# Altium PCB ultra.PcbDoc (part 4 of 9)
Units mm, origin at the board's own origin, x right, y up, seen from the top; angles counter-clockwise.
Board outline 210 x 210 mm, 2 copper layers (Top Layer, Bottom Layer), stack 1.591 mm thick; 722 components, 1083 nets, 2232 pads, 1540 vias.
Unrouted connection lines stored in the file: 21.
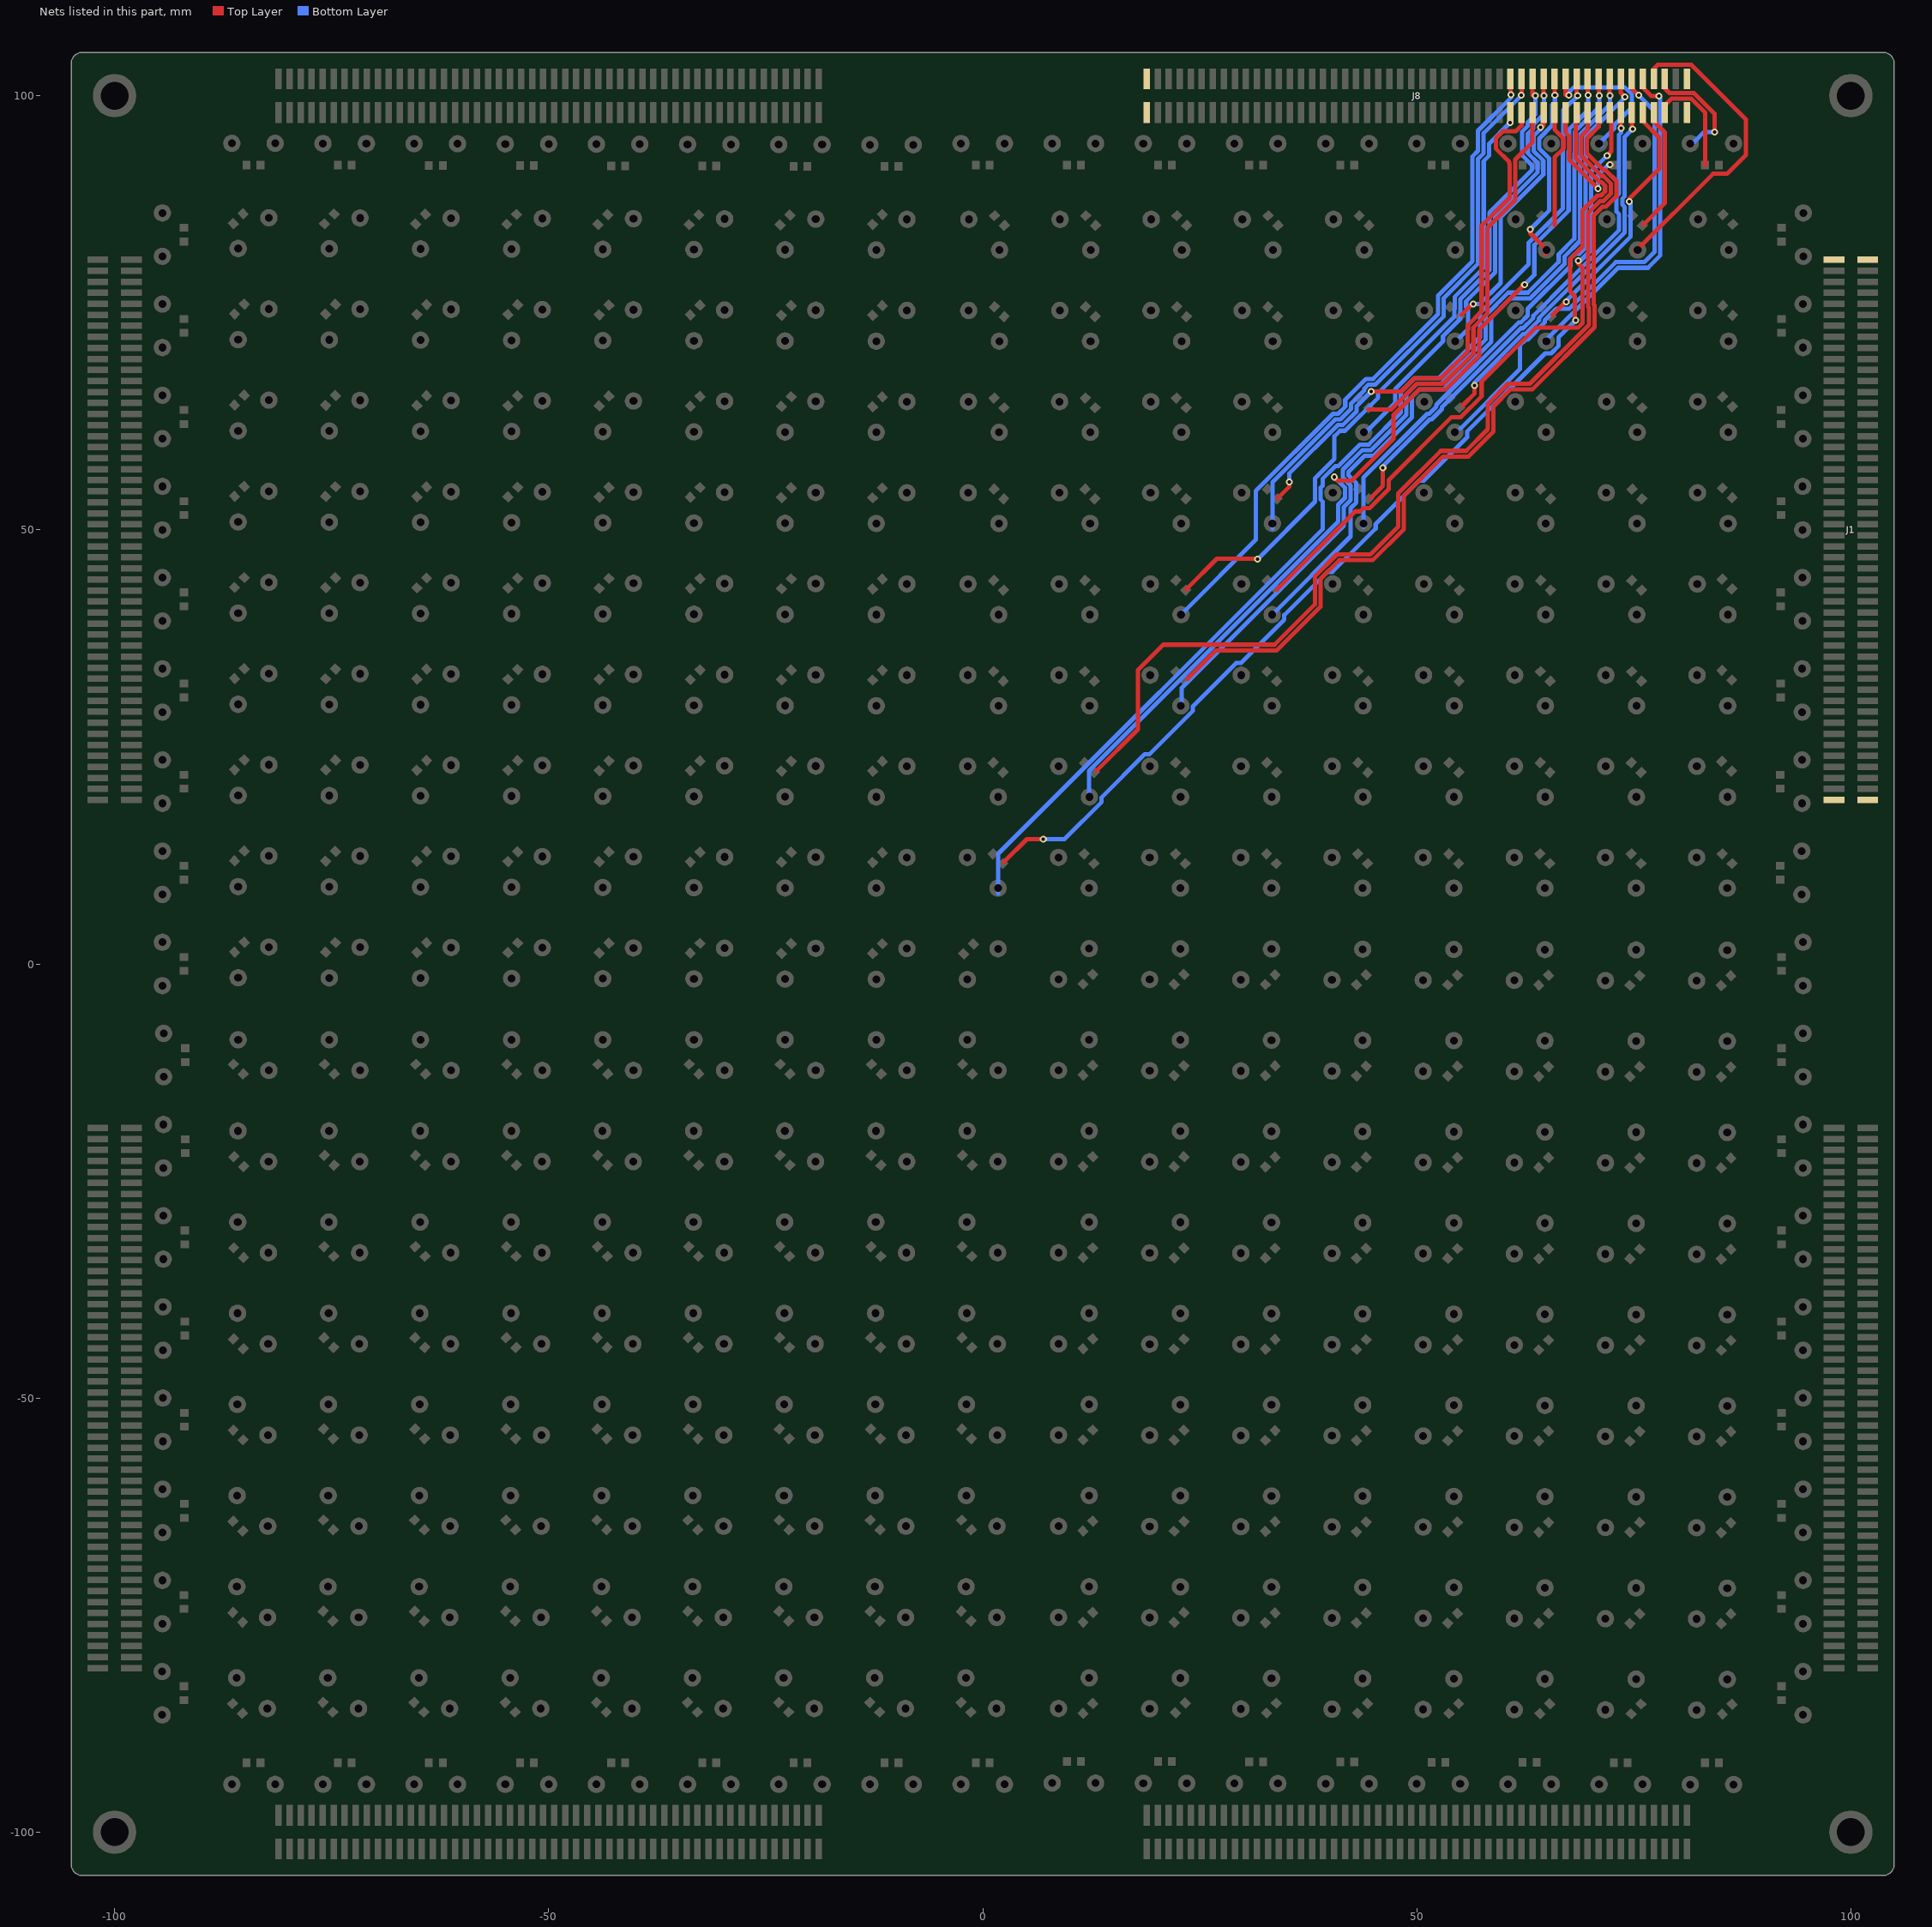
[diagram p4: the nets of this part, all layers, seen from the top]

## Via types
v1: diameter 0.6, hole 0.3, Top Layer to Bottom Layer, tented both sides, 784 vias
v2: diameter 0.8, hole 0.4, Top Layer to Bottom Layer, tented both sides, 756 vias

## Nets (pads, with @x,y where several pads share a name; then routed paths per layer and width w, separated by ;. In a path a pad name is that pad's centre, name@x,y a point inside that pad or via, vN(x,y) a via of type N, cw(c..) or ccw(c..) an arc to the next point about the centre after c; other vN are vias at no path point) (continued)
NetJ8_67: J8.67 | length 73.5
  Top Layer w0.5: 23.482,43.193 26.962,46.672 31.636,46.672 v2(31.674,46.634) ; v2(60.757,96.901) 60.795,96.939 J8.67@60.795,98.05
  Bottom Layer w0.5: v2(31.674,46.634) 38.282,53.243 38.282,55.94 40.515,58.173 40.515,60.78 41.153,61.418 41.745,61.418 45.555,65.228 45.555,65.768 54.331,74.544 54.331,75.413 54.39,75.472 54.39,76.867 57.716,80.193 57.716,81.278 57.715,81.28 57.715,81.653 57.716,81.654 57.716,82.193 57.715,82.194 57.715,92.477 58.35,93.112 58.35,94.494 v2(60.757,96.901)
NetJ8_68: J8.68 | length 77.8
  Top Layer w0.5: J8.68@60.795,101.95 60.795,100.165 v2(60.833,100.127)
  Bottom Layer w0.5: 23.178,40.576 31.471,48.87 31.471,54.493 40.346,63.368 40.937,63.368 41.757,64.188 41.757,64.991 44.154,67.388 44.983,67.388 52.457,74.862 52.457,76.982 56.415,80.94 56.415,93.015 57.05,93.651 57.05,95.968 60.833,99.751 v2(60.833,100.127)
NetJ8_69: J8.69 | length 62.5
  Top Layer w0.5: 33.91,53.57 35.331,54.991 v2(35.331,55.499) ; v2(44.755,65.938) 48.209,65.938 49.739,67.468 52.777,67.468 55.875,70.566 55.875,73.579 57.465,75.169 57.465,85.029 60.7,88.264 60.7,92.151 60.649,92.202 60.649,92.372 59.1,93.92 59.1,95.08 59.92,95.9 61.381,95.9 62.065,96.584 J8.69@62.065,98.05
  Bottom Layer w0.5: v2(35.331,55.499) 35.331,56.515 40.884,62.068 41.476,62.068 43.057,63.649 43.057,64.241 v2(44.755,65.938)
NetJ8_70: J8.70 | length 64.5
  Top Layer w0.5: v2(62.052,100.051) 62.065,100.063 J8.70@62.065,101.95
  Bottom Layer w0.5: 33.401,50.114 33.401,55.504 40.615,62.718 41.206,62.718 42.407,63.919 42.407,64.51 43.955,66.058 43.955,66.27 44.423,66.738 45.252,66.738 53.107,74.593 53.107,76.713 57.065,80.671 57.065,92.746 57.7,93.382 57.7,95.698 v2(62.052,100.051) ; 57.065,81.925 57.066,81.924
NetJ8_71: J8.71 | length 45.4
  Top Layer w0.5: 44.399,63.856 47.046,63.856 50.008,66.818 53.046,66.818 56.525,70.297 56.525,73.31 58.115,74.9 58.115,84.76 61.35,87.995 61.35,92.666 63.335,94.651 J8.71@63.335,98.05
NetJ8_72: J8.72 | length 50.2
  Top Layer w0.5: J8.72@63.335,101.95 63.335,100.063 63.398,100 v2(63.652,100)
  Bottom Layer w0.5: 44.003,61.122 47.507,64.627 47.507,66.202 53.018,71.712 53.018,72.312 55.04,74.334 55.04,76.597 58.366,79.924 58.366,82.462 58.365,82.464 58.365,86.544 63.277,91.456 63.277,91.985 62.15,93.112 62.15,95.888 62.787,96.524 62.787,96.968 63.652,97.834 v2(63.652,100)
NetJ8_73: J8.73 | length 28.7
  Top Layer w0.5: 55.131,74.765 56.363,75.997 v2(56.49,75.997) ; v2(64.237,96.368) 64.389,96.368 64.605,96.584 J8.73@64.605,98.05
  Bottom Layer w0.5: v2(56.49,75.997) 57.221,75.997 59.666,78.442 59.666,83.001 59.665,83.002 59.665,86.005 64.577,90.918 64.577,92.524 63.45,93.651 63.45,95.349 64.237,96.136 v2(64.237,96.368)
NetJ8_74: J8.74 | length 34.9
  Top Layer w0.5: J8.74@64.605,101.95 64.605,100.038 v2(64.643,100)
  Bottom Layer w0.5: 54.966,72.187 55.899,73.12 55.899,75.457 55.69,75.665 55.69,76.328 59.016,79.655 59.016,82.731 59.015,82.733 59.015,86.274 63.927,91.187 63.927,92.254 62.8,93.382 62.8,95.618 63.437,96.255 63.437,96.699 64.643,97.905 v2(64.643,100)
NetJ8_75: J8.75 | length 13.8
  Top Layer w0.5: 65.875,85.115 65.875,92.895 66.9,93.92 66.9,95.08 65.875,96.105 J8.75@65.875,98.05
NetJ8_76: J8.76 | length 23
  Top Layer w0.5: v2(63.068,84.607) 63.068,84.15 64.821,82.398 64.821,81.788 ; J8.76@65.875,101.95 65.875,100.241 65.913,100.203 v2(65.913,100.051)
  Bottom Layer w0.5: v2(63.068,84.607) 65.227,86.766 65.227,92.793 64.1,93.92 64.1,95.08 65.594,96.574 65.594,98.929 65.913,99.247 v2(65.913,100.051)
NetJ8_77: J8.77 | length 13.5
  Top Layer w0.5: J8.77@67.145,98.05 67.145,95.754 67.55,95.349 67.55,92.648 70.694,89.504 70.694,89.484 70.872,89.306 v2(70.891,89.306)
  Bottom Layer w0.5: v2(70.891,89.306) 70.891,90.881 v2@72.06,92.05
  other v2: 72.238,92.05
NetJ8_78: J8.78 | length 17.7
  Top Layer w0.5: J8.78@67.145,101.95 67.145,100.114 67.183,100.076 v2(67.513,100.076)
  Bottom Layer w0.5: v2(67.513,100.076) 67.513,100.406 68.047,100.94 74.004,100.94 74.765,100.179 74.765,98.629 72.733,96.597 72.733,96.203 71.272,94.742 71.272,94.259
NetJ8_79: J8.79 | length 121.5
  Top Layer w0.5: 2.476,11.773 5.08,14.376 v2(6.985,14.376) ; v2(68.301,74.143) 68.205,74.238 68.205,74.289 68.199,74.295 68.199,76.922 67.651,77.47 67.651,81.177 69.101,82.627 69.101,86.78 70.827,88.506 71.223,88.506 71.691,88.975 71.691,89.638 71.223,90.106 71.02,90.106 68.3,92.827 68.3,97.935 J8.79@68.415,98.05
  Bottom Layer w0.5: v2(6.985,14.376) 9.417,14.376 13.693,18.652 13.693,19.183 18.677,24.168 19.233,24.168 24.218,29.152 24.218,29.683 29.202,34.668 29.758,34.668 34.743,39.652 34.743,40.183 39.727,45.168 40.283,45.168 45.268,50.152 45.268,50.683 50.252,55.668 50.808,55.668 55.793,60.652 55.793,61.33 64.795,70.332 65.498,70.332 66.318,71.152 66.318,72.16 v2(68.301,74.143)
NetJ8_80: J8.80 | length 124.3
  Top Layer w0.5: J8.80@68.415,101.95 68.415,100.089 68.402,100.076 68.453,100.025 v2(68.529,100.025)
  Bottom Layer w0.5: 1.778,8.103 1.778,12.691 39.147,50.06 39.147,53.259 38.932,53.474 38.932,54.848 39.147,55.062 39.147,55.885 40.589,57.328 40.95,57.328 43.454,59.832 44.473,59.832 48.157,63.517 48.157,65.886 49.739,67.468 52.559,67.468 57.298,72.206 57.298,75.002 62.893,80.597 62.893,83.081 66.841,87.03 66.841,93.862 66.9,93.92 66.9,95.08 66.894,95.085 66.894,98.39 67.78,99.276 67.845,99.276 68.529,99.961 v2(68.529,100.025)
NetJ8_81: J8.81 | length 115.3
  Top Layer w0.5: 13.157,22.301 17.882,27.026 17.882,33.848 20.803,36.769 33.614,36.769 38.257,41.412 38.257,44.617 40.798,47.157 44.663,47.157 47.864,50.358 47.864,54.199 52.761,59.095 55.687,59.095 58.176,61.585 58.176,64.486 60.508,66.818 63.026,66.818 69.832,73.624 69.832,75.578 69.751,75.66 69.751,86.51 71.097,87.856 71.492,87.856 72.341,88.706 72.341,89.907 71.492,90.756 71.29,90.756 68.95,93.096 68.95,95.349 69.685,96.084 J8.81@69.685,98.05
NetJ8_82: J8.82 | length 111.2
  Top Layer w0.5: v2(40.513,56.083) 40.513,56.058 40.903,55.668 42.529,55.668 42.52,55.677 47.32,60.477 47.32,63.211 50.277,66.168 53.315,66.168 57.175,70.028 57.175,73.041 62.367,78.232 v2(62.408,78.232) ; J8.82@69.685,101.95 69.685,100.139 v2(69.748,100.076)
  Bottom Layer w0.5: 12.243,19.232 12.243,22.237 40.939,50.933 40.939,52.895 41.732,53.688 41.732,54.848 40.513,56.067 v2(40.513,56.083) ; v2(62.408,78.232) 63.543,79.367 63.543,82.812 67.491,86.761 67.491,93.592 67.55,93.651 67.55,95.349 67.544,95.355 67.544,96.134 69.748,98.338 v2(69.748,100.076)
NetJ8_83: J8.83 | length 97.7
  Top Layer w0.5: 23.546,32.791 26.873,36.119 33.884,36.119 38.907,41.142 38.907,44.348 41.067,46.507 44.933,46.507 48.514,50.089 48.514,53.929 53.03,58.445 55.956,58.445 58.826,61.316 58.826,64.217 60.777,66.168 63.296,66.168 70.482,73.354 70.482,75.848 70.401,75.929 70.401,86.241 71.366,87.206 71.761,87.206 72.991,88.437 72.991,90.176 71.761,91.406 71.559,91.406 69.6,93.365 69.6,95.08 70.955,96.435 J8.83@70.955,98.05
NetJ8_84: J8.84 | length 96.3
  Top Layer w0.5: J8.84@70.955,101.95 70.955,100.089 v2(71.018,100.025)
  Bottom Layer w0.5: 22.911,29.972 22.911,31.78 41.589,50.458 41.589,52.625 42.382,53.419 42.382,55.117 41.489,56.011 41.489,56.947 43.724,59.182 44.742,59.182 48.807,63.248 48.807,65.617 50.008,66.818 52.828,66.818 57.948,71.937 57.948,74.732 60.533,77.318 62.805,77.318 66.355,80.868 66.355,81.746 68.141,83.532 68.141,93.323 68.2,93.382 68.2,95.618 68.194,95.624 68.194,95.865 71.018,98.689 v2(71.018,100.025)
NetJ8_85: J8.85 | length 76.1
  Top Layer w0.5: 33.867,43.087 42.912,52.132 43.485,52.132 43.837,52.485 44.553,52.485 46.751,54.682 46.751,55.717 54.018,62.985 55.078,62.985 57.467,65.374 57.467,67.069 63.678,73.279 68.568,73.279 69.101,73.811 69.101,80.175 68.605,80.67 v2(68.605,81.001) ; v2(71.933,93.116) 72.4,93.584 72.4,97.875 J8.85@72.225,98.05
  Bottom Layer w0.5: v2(68.605,81.001) 68.605,80.756 70.091,82.242 70.091,91.275 v2(71.933,93.116)
NetJ8_86: J8.86 | length 82.2
  Top Layer w0.5: J8.86@72.225,101.95 72.225,100.038 v2(72.263,100)
  Bottom Layer w0.5: 33.359,40.217 42.382,49.24 42.382,52.499 43.032,53.149 43.032,55.386 42.139,56.28 42.139,56.678 43.993,58.532 45.011,58.532 49.457,62.978 49.457,65.348 50.277,66.168 53.098,66.168 58.598,71.668 58.598,74.463 60.802,76.668 63.074,76.668 67.005,80.599 67.005,81.476 68.791,83.263 68.791,93.054 68.85,93.112 68.85,95.601 72.263,99.014 v2(72.263,100)
NetJ8_87: J8.87 | length 56.8
  Top Layer w0.5: 44.767,53.734 46.101,55.067 v2(46.101,57.125) ; J8.87@73.495,98.05 73.495,96.304 v2(73.533,96.266)
  Bottom Layer w0.5: v2(46.101,57.125) 46.101,57.333 51.486,62.718 51.706,62.718 52.907,63.919 52.907,64.139 61.986,73.218 62.231,73.218 63.432,74.419 63.432,74.664 67.521,78.753 67.54,78.753 73.307,84.52 73.307,86.348 73,86.655 73,88.443 73.307,88.75 73.307,95.537 73.533,95.763 v2(73.533,96.266)
NetJ8_88: J8.88 | length 64.8
  Top Layer w0.5: J8.88@73.495,101.95 73.495,100.368 73.965,99.898 v2(73.965,99.847)
  Bottom Layer w0.5: 43.866,50.343 43.866,56.021 51.213,63.368 51.437,63.368 52.257,64.188 52.257,64.408 61.717,73.868 61.962,73.868 62.782,74.688 62.782,75.457 67.691,80.366 67.691,81.243 68.249,81.801 68.73,81.801 69.441,82.512 69.441,92.785 69.5,92.843 69.5,95.332 73.965,99.797 v2(73.965,99.847)
NetJ8_89: J8.89 | length 42.2
  Top Layer w0.5: 55.308,64.351 56.667,65.71 v2(56.667,66.624) ; J8.89@74.765,98.05 74.765,96.253 v2(74.854,96.164)
  Bottom Layer w0.5: v2(56.667,66.624) 56.667,66.98 62.255,72.568 62.501,72.568 64.082,74.149 64.082,74.395 67.79,78.103 67.809,78.103 73.957,84.251 73.957,87.192 73.673,87.476 73.673,88.139 73.957,88.424 73.957,95.268 v2(74.854,96.164)
NetJ8_90: J8.90 | length 53.6
  Top Layer w0.5: J8.90@74.765,101.95 74.765,100.851 v2(75.565,100.051)
  Bottom Layer w0.5: 55.042,61.671 61.864,68.494 61.864,71.257 62.525,71.918 62.77,71.918 64.732,73.88 64.732,74.125 66.07,75.463 66.864,75.463 66.877,75.451 67.54,75.451 72.921,80.832 76.22,80.832 77.4,82.012 77.4,98.216 v2(75.565,100.051)
NetJ8_91: J8.91 | length 29.3
  Top Layer w0.5: 65.634,74.752 67.132,76.251 v2(67.208,76.251) ; v2(74.473,87.808) 74.549,87.884 74.549,88.214 77.938,91.603 77.938,95.163 76.035,97.066 J8.91@76.035,98.05
  Bottom Layer w0.5: v2(67.208,76.251) 67.208,76.352 74.607,83.751 74.607,87.673 v2(74.473,87.808)
NetJ8_92: J8.92 | length 39.3
  Top Layer w0.5: J8.92@76.035,101.95 76.035,100.952 77.013,99.974 v2(77.902,99.974)
  Bottom Layer w0.5: 64.627,71.619 73.19,80.182 76.626,80.182 78.05,81.606 78.05,99.826 v2(77.902,99.974)
NetJ8_93: J8.93 | length 14.4
  Top Layer w0.5: 76.136,85.179 78.588,87.63 78.588,95.758 77.305,97.041 J8.93@77.305,98.05
NetJ8_94: J8.94 | length 36
  Top Layer w0.5: 75.159,82.042 84.125,91.008 85.75,91.008 87.9,93.158 87.9,97.301 81.651,103.55 77.744,103.55 77.305,103.111 J8.94@77.305,101.95
NetJ8_95: J8.95 | length 12.5
  Top Layer w0.5: J8.95@78.575,98.05 78.575,98.916 79.309,99.65 81.651,99.65 83.21,98.09 83.21,92
NetJ8_96: J8.96 | length 12.9
  Top Layer w0.5: J8.96@78.575,101.95 78.575,100.851 79.126,100.3 81.92,100.3 84.303,97.917 v2(84.303,95.834)
  Bottom Layer w0.5: 81.978,94.704 83.109,95.834 v2(84.303,95.834)
NetR1_U_ultra1_2: 
NetR1_U_ultra2_2: 
NetR1_U_ultra3_2: 
NetR1_U_ultra4_2: 
NetR1_U_ultra5_2: 
NetR1_U_ultra6_2: 
NetR1_U_ultra7_2: 
NetR1_U_ultra8_2: 
NetR1_U_ultra9_2: 
NetR1_U_ultra10_2: 
NetR1_U_ultra11_2: 
NetR1_U_ultra12_2: 
NetR1_U_ultra13_2: 
NetR1_U_ultra14_2: 
NetR1_U_ultra15_2: 
NetR1_U_ultra16_2: 
NetR1_U_ultra17_2: 
NetR1_U_ultra18_2: 
NetR1_U_ultra19_2: 
NetR1_U_ultra20_2: 
NetR1_U_ultra21_2: 
NetR1_U_ultra22_2: 
NetR1_U_ultra23_2: 
NetR1_U_ultra24_2: 
NetR1_U_ultra25_2: 
NetR1_U_ultra26_2: 
NetR1_U_ultra27_2: 
NetR1_U_ultra28_2: 
NetR1_U_ultra29_2: 
NetR1_U_ultra30_2: 
NetR1_U_ultra31_2: 
NetR1_U_ultra32_2: 
NetR1_U_ultra33_2: 
NetR1_U_ultra34_2: 
NetR1_U_ultra35_2: 
NetR1_U_ultra36_2: 
NetR1_U_ultra37_2: 
NetR1_U_ultra38_2: 
NetR1_U_ultra39_2: 
NetR1_U_ultra40_2: 
NetR1_U_ultra41_2: 
NetR1_U_ultra42_2: 
NetR1_U_ultra43_2: 
NetR1_U_ultra44_2: 
NetR1_U_ultra45_2: 
NetR1_U_ultra46_2: 
NetR1_U_ultra47_2: 
NetR1_U_ultra48_2: 
NetR1_U_ultra49_2: 
NetR1_U_ultra50_2: 
NetR1_U_ultra51_2: 
NetR1_U_ultra52_2: 
NetR1_U_ultra53_2: 
NetR1_U_ultra54_2: 
NetR1_U_ultra55_2: 
NetR1_U_ultra56_2: 
NetR1_U_ultra57_2: 
NetR1_U_ultra58_2: 
NetR1_U_ultra59_2: 
NetR1_U_ultra60_2: 
NetR1_U_ultra61_2: 
NetR1_U_ultra62_2: 
NetR1_U_ultra63_2: 
NetR1_U_ultra64_2: 
NetR1_U_ultra65_2: 
NetR1_U_ultra66_2: 
NetR1_U_ultra67_2: 
NetR1_U_ultra68_2: 
NetR1_U_ultra69_2: 
NetR1_U_ultra70_2: 
NetR1_U_ultra71_2: 
NetR1_U_ultra72_2: 
NetR1_U_ultra73_2: 
NetR1_U_ultra74_2: 
NetR1_U_ultra75_2: 
NetR1_U_ultra76_2: 
NetR1_U_ultra77_2: 
NetR1_U_ultra78_2: 
NetR1_U_ultra79_2: 
NetR1_U_ultra80_2: 
NetR1_U_ultra81_2: 
NetR1_U_ultra82_2: 
NetR1_U_ultra83_2: 
NetR1_U_ultra84_2: 
NetR1_U_ultra85_2: 
NetR1_U_ultra86_2: 
NetR1_U_ultra87_2: 
NetR1_U_ultra88_2: 
NetR1_U_ultra89_2: 
NetR1_U_ultra90_2: 
NetR1_U_ultra91_2: 
NetR1_U_ultra92_2: 
NetR1_U_ultra93_2: 
NetR1_U_ultra94_2: 
NetR1_U_ultra95_2: 
NetR1_U_ultra96_2: 
NetR1_U_ultra97_2: 
NetR1_U_ultra98_2: 
NetR1_U_ultra99_2: 
NetR1_U_ultra100_2: 
NetR1_U_ultra101_2: 
NetR1_U_ultra102_2: 
NetR1_U_ultra103_2: 
NetR1_U_ultra104_2: 
NetR1_U_ultra105_2: 
NetR1_U_ultra106_2: 
NetR1_U_ultra107_2: 
NetR1_U_ultra108_2: 
NetR1_U_ultra109_2: 
NetR1_U_ultra110_2: 
NetR1_U_ultra111_2: 
NetR1_U_ultra112_2: 
NetR1_U_ultra113_2: 
NetR1_U_ultra114_2: 
NetR1_U_ultra115_2: 
NetR1_U_ultra116_2: 
NetR1_U_ultra117_2: 
NetR1_U_ultra118_2: 
NetR1_U_ultra119_2: 
NetR1_U_ultra120_2: 
NetR1_U_ultra121_2: 
NetR1_U_ultra122_2: 
NetR1_U_ultra123_2: 
NetR1_U_ultra124_2: 
NetR1_U_ultra125_2: 
NetR1_U_ultra126_2: 
NetR1_U_ultra127_2: 
NetR1_U_ultra128_2: 
NetR1_U_ultra129_2: 
NetR1_U_ultra130_2: 
NetR1_U_ultra131_2: 
NetR1_U_ultra132_2: 
NetR1_U_ultra133_2: 
NetR1_U_ultra134_2: 
NetR1_U_ultra135_2: 
NetR1_U_ultra136_2: 
NetR1_U_ultra137_2: 
NetR1_U_ultra138_2: 
NetR1_U_ultra139_2: 
NetR1_U_ultra140_2: 
NetR1_U_ultra141_2: 
NetR1_U_ultra142_2: 
NetR1_U_ultra143_2: 
NetR1_U_ultra144_2: 
NetR1_U_ultra145_2: 
NetR1_U_ultra146_2: 
NetR1_U_ultra147_2: 
NetR1_U_ultra148_2: 
NetR1_U_ultra149_2: 
NetR1_U_ultra150_2: 
NetR1_U_ultra151_2: 
NetR1_U_ultra152_2: 
NetR1_U_ultra153_2: 
NetR1_U_ultra154_2: 
NetR1_U_ultra155_2: 
NetR1_U_ultra156_2: 
NetR1_U_ultra157_2: 
NetR1_U_ultra158_2: 
NetR1_U_ultra159_2: 
NetR1_U_ultra160_2: 
NetR1_U_ultra161_2: 
NetR1_U_ultra162_2: 
NetR1_U_ultra163_2: 
NetR1_U_ultra164_2: 
NetR1_U_ultra165_2: 
NetR1_U_ultra166_2: 
NetR1_U_ultra167_2: 
NetR1_U_ultra168_2: 
NetR1_U_ultra169_2: 
NetR1_U_ultra170_2: 
NetR1_U_ultra171_2: 
NetR1_U_ultra172_2: 
NetR1_U_ultra173_2: 
NetR1_U_ultra174_2: 
NetR1_U_ultra175_2: 
NetR1_U_ultra176_2: 
NetR1_U_ultra177_2: 
NetR1_U_ultra178_2: 
NetR1_U_ultra179_2: 
NetR1_U_ultra180_2: 
NetR1_U_ultra181_2: 
NetR1_U_ultra182_2: 
NetR1_U_ultra183_2: 
NetR1_U_ultra184_2: 
NetR1_U_ultra185_2: 
NetR1_U_ultra186_2: 
NetR1_U_ultra187_2: 
NetR1_U_ultra188_2: 
NetR1_U_ultra189_2: 
NetR1_U_ultra190_2: 
NetR1_U_ultra191_2: 
NetR1_U_ultra192_2: 
NetR1_U_ultra193_2: 
NetR1_U_ultra194_2: 
NetR1_U_ultra195_2: 
NetR1_U_ultra196_2: 
NetR1_U_ultra197_2: 
NetR1_U_ultra198_2: 
NetR1_U_ultra199_2: 
NetR1_U_ultra200_2: 
NetR1_U_ultra201_2: 
NetR1_U_ultra202_2: 
NetR1_U_ultra203_2: 
NetR1_U_ultra204_2: 
NetR1_U_ultra205_2: 
NetR1_U_ultra206_2: 
NetR1_U_ultra207_2: 
NetR1_U_ultra208_2: 
NetR1_U_ultra209_2: 
NetR1_U_ultra210_2: 
NetR1_U_ultra211_2: 
NetR1_U_ultra212_2: 
NetR1_U_ultra213_2: 
NetR1_U_ultra214_2: 
NetR1_U_ultra215_2: 
NetR1_U_ultra216_2: 
NetR1_U_ultra217_2: 
NetR1_U_ultra218_2: 
NetR1_U_ultra219_2: 
NetR1_U_ultra220_2: 
NetR1_U_ultra221_2: 
NetR1_U_ultra222_2: 
NetR1_U_ultra223_2: 
NetR1_U_ultra224_2: 
NetR1_U_ultra225_2: 
NetR1_U_ultra226_2: 
NetR1_U_ultra227_2: 
NetR1_U_ultra228_2: 
NetR1_U_ultra229_2: 
NetR1_U_ultra230_2: 
NetR1_U_ultra231_2: 
NetR1_U_ultra232_2: 
NetR1_U_ultra233_2: 
NetR1_U_ultra234_2: 
NetR1_U_ultra235_2: 
NetR1_U_ultra236_2: 
NetR1_U_ultra237_2: 
NetR1_U_ultra238_2: 
NetR1_U_ultra239_2: 
NetR1_U_ultra240_2: 
NetR1_U_ultra241_2: 
NetR1_U_ultra242_2: 
NetR1_U_ultra243_2: 
NetR1_U_ultra244_2: 
NetR1_U_ultra245_2: 
NetR1_U_ultra246_2: 
NetR1_U_ultra247_2: 
NetR1_U_ultra248_2: 
NetR1_U_ultra249_2: 
NetR1_U_ultra250_2: 
NetR1_U_ultra251_2: 
NetR1_U_ultra252_2: 
NetR1_U_ultra253_2: 
NetR1_U_ultra254_2: 
NetR1_U_ultra255_2: 
NetR1_U_ultra256_2: 
NetR1_U_ultra257_2: 
NetR1_U_ultra258_2: 
NetR1_U_ultra259_2: 
NetR1_U_ultra260_2: 
NetR1_U_ultra261_2: 
NetR1_U_ultra262_2: 
NetR1_U_ultra263_2: 
NetR1_U_ultra264_2: 
NetR1_U_ultra265_2: 
NetR1_U_ultra266_2: 
NetR1_U_ultra267_2: 
NetR1_U_ultra268_2: 
NetR1_U_ultra269_2: 
NetR1_U_ultra270_2: 
NetR1_U_ultra271_2: 
NetR1_U_ultra272_2: 
NetR1_U_ultra273_2: 
NetR1_U_ultra274_2: 
NetR1_U_ultra275_2: 
NetR1_U_ultra276_2: 
NetR1_U_ultra277_2: 
NetR1_U_ultra278_2: 
NetR1_U_ultra279_2: 
NetR1_U_ultra280_2: 
NetR1_U_ultra281_2: 
NetR1_U_ultra282_2: 
NetR1_U_ultra283_2: 
NetR1_U_ultra284_2: 
NetR1_U_ultra285_2: 
NetR1_U_ultra286_2: 
NetR1_U_ultra287_2: 
NetR1_U_ultra288_2: 
NetR1_U_ultra289_2: 
NetR1_U_ultra290_2: 
NetR1_U_ultra291_2: 
NetR1_U_ultra292_2: 
NetR1_U_ultra293_2: 
NetR1_U_ultra294_2: 
NetR1_U_ultra295_2: 
NetR1_U_ultra296_2: 
NetR1_U_ultra297_2: 
NetR1_U_ultra298_2: 
NetR1_U_ultra299_2: 
NetR1_U_ultra300_2: 
NetR1_U_ultra301_2: 
NetR1_U_ultra302_2: 
NetR1_U_ultra303_2: 
NetR1_U_ultra304_2: 
NetR1_U_ultra305_2: 
NetR1_U_ultra306_2: 
NetR1_U_ultra307_2: 
NetR1_U_ultra308_2: 
NetR1_U_ultra309_2: 
NetR1_U_ultra310_2: 
NetR1_U_ultra311_2: 
NetR1_U_ultra312_2: 
NetR1_U_ultra313_2: 
NetR1_U_ultra314_2: 
NetR1_U_ultra315_2: 
NetR1_U_ultra316_2: 
NetR1_U_ultra317_2: 
NetR1_U_ultra318_2: 
NetR1_U_ultra319_2: 
NetR1_U_ultra320_2: 
NetR1_U_ultra321_2: 
NetR1_U_ultra322_2: 
NetR1_U_ultra323_2: 
NetR1_U_ultra324_2: 
NetR1_U_ultra325_2: 
NetR1_U_ultra326_2: 
NetR1_U_ultra327_2: 
NetR1_U_ultra328_2: 
NetR1_U_ultra329_2: 
NetR1_U_ultra330_2: 
NetR1_U_ultra331_2: 
NetR1_U_ultra332_2: 
NetR1_U_ultra333_2: 
NetR1_U_ultra334_2: 
NetR1_U_ultra335_2: 
NetR1_U_ultra336_2: 
NetR1_U_ultra337_2: 
NetR1_U_ultra338_2: 
NetR1_U_ultra339_2: 
NetR1_U_ultra340_2: 
NetR1_U_ultra341_2: 
NetR1_U_ultra342_2: 
NetR1_U_ultra343_2: 
NetR1_U_ultra344_2: 
NetR1_U_ultra345_2: 
NetR1_U_ultra346_2: 
NetR1_U_ultra347_2: 
NetR1_U_ultra348_2: 
NetR1_U_ultra349_2: 
NetR1_U_ultra350_2: 
NetR1_U_ultra351_2: 
NetR1_U_ultra352_2: 
NetR1_U_ultra353_2: 
NetR1_U_ultra354_2: 
NetR1_U_ultra355_2: 
NetR1_U_ultra356_2: 
NetR1_U_ultra357_2: 
NetR1_U_ultra358_2: 
NetR1_U_ultra359_2: 
NetR1_U_ultra360_2: 
VUS: J1.1 J1.2 J1.99 J1.100 J8.1 J8.2 J8.99 J8.100